# Altium PCB RFID_PCB.PcbDoc (part 4 of 4)
Units mil, origin at the board's own origin, x right, y up, seen from the top; angles counter-clockwise.
Board outline 6299.21 x 3937.01 mil, 2 copper layers (Top Layer, Bottom Layer); 297 components, 238 nets, 1087 pads, 705 vias.
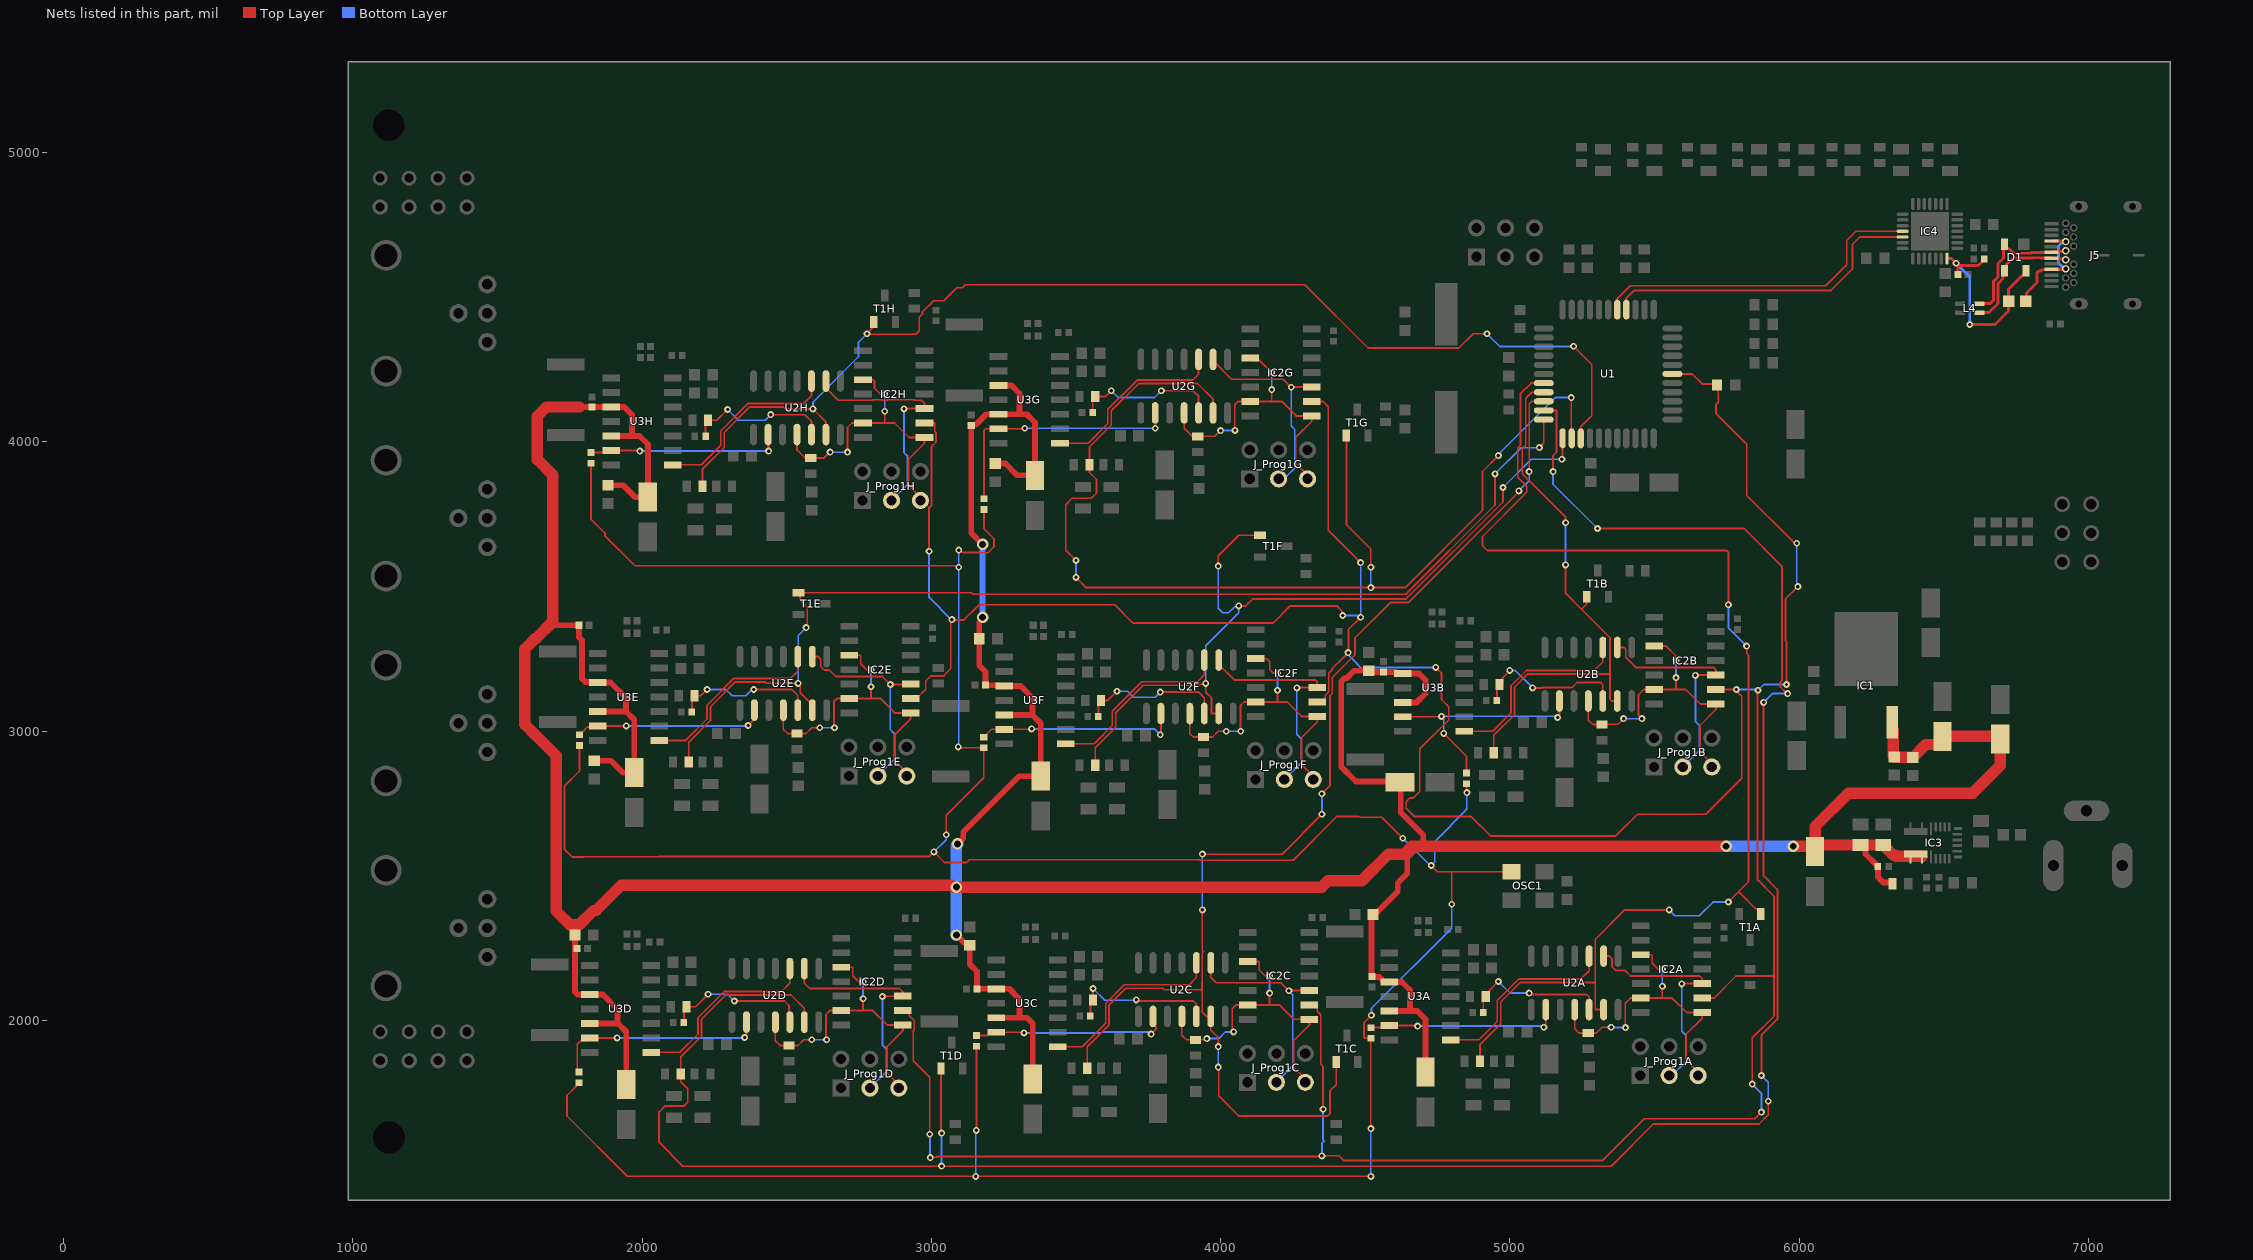
[diagram p4: the nets of this part, all layers, seen from the top]

## Via types
v1: diameter 23.62, hole 11.81, Top Layer to Bottom Layer, tented both sides, 644 vias
v2: diameter 39.37, hole 23.62, Top Layer to Bottom Layer, tented both sides, 61 vias

## Nets (pads, with @x,y where several pads share a name; then routed paths per layer and width w, separated by ;. In a path a pad name is that pad's centre, name@x,y a point inside that pad or via, vN(x,y) a via of type N, cw(c..) or ccw(c..) an arc to the next point about the centre after c; other vN are vias at no path point) (continued)
P5V0: C5.1 C10A.1 C10B.1 C10C.1 C10D.1 C10E.1 C10F.1 C10G.1 C10H.1 C11A.2 C11B.2 C11C.2 C11D.2 C11E.2 C11F.2 C11G.2 C11H.2 C13A.1 C13B.1 C13C.1 C13D.1 C13E.1 C13F.1 C13G.1 C13H.1 C16.1 C17.1 C18.1 C19.1 C26.2 C27.2 IC1.2 IC3.8 IC3.9 R27.2 R28.2 U3A.3 U3A.5 U3B.3 U3B.5 U3C.3 U3C.5 U3D.3 U3D.5 U3E.3 U3E.5 U3F.3 U3F.5 U3G.3 U3G.5 U3H.3 U3H.5 | length 16933.9
  Top Layer w20: 1691.04,3378.17 1702.82,3366.39 1728.06,3366.39 1728.31,3366.14 C10E.1@1781.5,3366.14 1781.5,3324.8 1791.98,3314.32 1791.98,3181.64 1803.7,3169.92 1844.65,3169.92 U3E.3@1846.46,3168.11 1890.95,3168.11 1943.7,3115.35 1943.7,3068.11 ; 1767.72,2330.71 C11D.2@1767.72,2295.27 1767.72,2098.43 1776.77,2089.37 U3D.3@1818.9,2089.37 1863.39,2089.37 1915,2037.76 1915,1989.37 ; 1782.87,4120.87 U3H.3@1893.7,4120.87 1938.19,4120.87 1965,4094.06 1965,4020.87 ; U3D.5@1818.9,1989.37 1915,1989.37 ; C11E.2@1834.65,2897.64 1892.36,2897.64 1933.7,2856.3 C13E.1@1972.44,2856.3 1972.69,2856.55 1972.69,3039.12 1943.7,3068.11 ; U3E.5@1846.46,3068.11 1943.7,3068.11 ; C11H.2@1881.89,3850.39 1934.61,3850.39 1975.94,3809.06 C13H.1@2019.69,3809.06 2019.94,3809.31 2019.94,3991.87 1990.95,4020.87 1965,4020.87 ; U3H.5@1893.7,4020.87 1965,4020.87 ; C13D.1@1944.88,1777.56 1944.88,1960.63 1916.14,1989.37 1915,1989.37 ; v2(3086.61,2295.27) 3113.34,2268.54 3124.19,2268.54 C11C.2@3132.89,2259.84 3132.89,2193.88 3157.48,2169.29 C10C.1@3157.48,2109.06 U3C.3@3224.41,2109.06 3268.9,2109.06 3305,2072.95 3305,2009.06 ; v2(3090.55,2610.24) 3110.24,2629.92 3110.24,2651.46 3303.27,2844.49 C13F.1@3377.95,2844.49 3377.95,3027.56 3349.21,3056.3 ; 3165.35,3376.65 C11F.2@3165.35,3320.08 3165.35,3227.17 3187.01,3205.51 C10F.1@3187.01,3158.98 3230.58,3158.98 3233.27,3156.3 U3F.3@3251.97,3156.3 3308.7,3156.3 3350,3115 3350,3056.3 3349.21,3056.3 ; v2(3177.17,3645.67) 3137.8,3685.04 C10G.1@3137.8,4057.09 3140,4059.29 3153.16,4059.29 3189.54,4095.67 U3G.5@3232.28,4095.67 3305,4095.67 ; C11G.2@3220.47,3925.2 3255.91,3925.2 3295,3886.1 3295,3885 3357.13,3885 C13G.1@3358.27,3883.86 3358.27,4066.93 3329.53,4095.67 3305,4095.67 ; U3C.5@3224.41,2009.06 3305,2009.06 ; U3G.3@3232.28,4195.67 3276.77,4195.67 3305,4167.44 3305,4095.67 ; U3F.5@3251.97,3056.3 3349.21,3056.3 ; C13C.1@3350.39,1797.24 3350.39,1989.61 3330.94,2009.06 3305,2009.06 ; U3A.5@4582.68,2032.68 4655,2032.68 ; C13B.1@4620.08,2823.54 4617.27,2826.36 4467.81,2826.36 4417.16,2877 4417.16,3171.93 4428.41,3183.18 4435.96,3183.18 4461.44,3208.66 C11B.2@4511.81,3208.66 4515.75,3204.72 C10B.1@4562.99,3204.72 4606.1,3204.72 4611.22,3199.61 U3B.3@4629.92,3199.61 4686.22,3199.61 4708.66,3177.17 4708.66,3129.91 4678.35,3099.61 U3B.5@4629.92,3099.61 ; C13B.1@4622.73,2818.6 4622.73,2718.61 4700.79,2640.55 4700.79,2618.11 ; 4685.04,2602.36 4645.67,2562.99 4645.67,2507.87 4612.68,2474.88 4612.68,2445.92 4577.7,2410.94 4521.65,2354.89 4521.65,2161.02 4532.75,2149.93 4548.81,2149.93 4562.17,2136.57 4562.17,2134.49 4563.98,2132.68 4627.17,2132.68 4655,2104.84 4655,2032.68 ; C13A.1@4708.66,1820.87 4708.91,1821.12 4708.91,2003.68 4679.92,2032.68 4655,2032.68 ; C26.2@6212.6,2606.3 6219.49,2606.3 6230.16,2595.63 6230.16,2575.35 6270.63,2534.88 6271.42,2534.88 6272.83,2533.46 R27.2@6272.83,2532.68 6272.83,2494.88 6291.21,2476.51 6319.16,2476.51 R28.2@6323.23,2472.44
  Top Layer w39.37: 1763.78,2330.71 1750,2330.71 1702.47,2378.24 1702.47,2915.48 1632.81,2985.14 1632.23,2985.14 1594.49,3022.89 1594.49,3284.2 1632.23,3321.94 1634.81,3321.94 1691.04,3378.17 1691.04,3885.61 1637.8,3938.85 1637.8,4089.37 1669.29,4120.87 1782.87,4120.87 ; 1767.72,2330.71 1782.29,2330.71 1831.6,2380.02 1840.65,2380.02 1927.26,2466.63 2078.52,2466.63 3039.59,2466.63 3070.65,2466.63 3076.65,2460.63 v2(3086.61,2460.63) 4349.2,2460.63 4371.13,2482.57 4488.35,2482.57 4580.59,2574.8 4633.86,2574.8 4661.42,2602.36 4685.04,2602.36 v2(5748.03,2602.36) ; v2(5980.31,2602.36) 6051.18,2602.36 6055.12,2606.3 C16.1@6055.77,2606.3 ; C16.1@6055.12,2584.13 6055.77,2584.79 C16.1@6055.77,2606.3 ; C26.2@6212.6,2606.3 C16.1@6055.77,2606.3 ; C26.2@6219.49,2606.3 C27.2@6291.34,2606.3 6298.23,2606.3 6299.21,2605.32 6299.21,2598.43 6327.07,2570.57 6331.9,2570.57 6335.54,2566.93 6385.83,2566.93 6423.23,2566.93 IC3.9@6425.2,2564.96 ; IC1.2@6325.59,3005.91 6325.59,2914.96 C19.1@6329.53,2911.02 6331.1,2909.45 C18.1@6393.7,2909.45 6438.06,2953.81 6484.25,2953.81 6496.06,2965.62 C17.1@6496.06,2982.28 C5.1@6696.85,2982.28 ; C5.1@6696.14,2972.28 6696.14,2881.18 6600.39,2785.43 6171.26,2785.43 6055.77,2669.95 C16.1@6055.77,2606.3
  Bottom Layer w20: v2(3177.17,3393.7) v2(3177.17,3645.67)
  Bottom Layer w39.37: v2(5748.03,2602.36) v2(5980.31,2602.36)
  Bottom Layer w40: v2(3086.61,2295.27) 3086.61,2606.29 v2(3090.55,2610.24)
P5V0USB: C28.2 D1.4 IC4.7 L2.2 R31.2 | length 743.7
  Top Layer w10: IC4.7@6511.81,4633.86 6527.56,4633.86 v1(6543.31,4618.11) ; C28.2@6549.21,4578.74 6549.21,4608.52 6543.31,4614.42 v1(6543.31,4618.11) ; v1(6590.55,4406.03) 6677.68,4406.03 6724.72,4453.07 6724.72,4527.87 6774.69,4577.83 6778.62,4577.83 6785.43,4584.65 D1.4@6785.43,4592.52 ; R31.2@6640.55,4632.9 6634.13,4626.49 6634.13,4624.32 6619.52,4609.7 6555.4,4609.7 6546.99,4618.11 v1(6543.31,4618.11)
  Bottom Layer w10: v1(6543.31,4618.11) 6590.55,4570.87 v1(6590.55,4406.03)
R2_DOUTA: R19A.2 R20A.1 U2A.5 | length 508.3
  Top Layer w6: R19A.2@4908.27,2027.56 4908.27,2074.02 R20A.1@4916.93,2082.68 4916.93,2090.88 v1(4960.63,2134.58) ; v1(5066.92,2094.48) 5071.69,2094.48 5076.8,2089.37 5266.14,2089.37 5274.41,2081.1 U2A.5@5274.41,2037.4
  Bottom Layer w6: v1(4960.63,2134.58) 5000.72,2094.48 v1(5066.92,2094.48)
R2_DOUTB: R19B.2 R20B.1 U2B.5 | length 536.3
  Top Layer w6: R19B.2@4955.51,3106.3 4955.51,3152.76 R20B.1@4964.17,3161.42 4975,3172.25 4975,3184.98 v1(5000,3209.98) ; v1(5078.74,3149.61) 5111.91,3149.61 5113.03,3150.73 5214.91,3150.73 5232.28,3168.11 5314.96,3168.11 5321.65,3161.42 U2B.5@5321.65,3104.33
  Bottom Layer w6: v1(5000,3209.98) 5018.37,3209.98 v1(5078.74,3149.61)
R2_DOUTC: R19C.2 R20C.1 U2C.5 | length 522.5
  Top Layer w6: R19C.2@3550,2015.75 3550,2062.2 cw(c3558.66,2062.2) R20C.1@3558.66,2070.87 3558.66,2109.84 v1(3559.06,2110.24) ; v1(3708.65,2070.86) 3712.03,2067.49 3720.36,2067.49 3720.98,2066.87 3905.57,2066.87 3915.89,2056.55 3915.89,2014.03 U2C.5@3916.14,2013.78
  Bottom Layer w6: v1(3559.06,2110.24) 3599.55,2069.74 3707.53,2069.74 v1(3708.65,2070.86)
R2_DOUTD: R19D.2 R20D.1 U2D.5 | length 505.9
  Top Layer w6: R19D.2@2144.49,1992.13 2144.49,2038.58 R20D.1@2153.15,2047.24 2184.65,2047.24 v1(2227.95,2090.55) ; v1(2318.9,2066.93) 2492.13,2066.93 2507.87,2051.18 2507.87,1996.85 U2D.5@2510.63,1994.09
  Bottom Layer w6: v1(2227.95,2090.55) 2295.28,2090.55 v1(2318.9,2066.93)
R2_DOUTE: R19E.2 R20E.1 U2E.5 | length 502.6
  Top Layer w6: R19E.2@2172.05,3066.93 2172.05,3113.39 R20E.1@2180.71,3122.05 2202.36,3122.05 v1(2224.41,3144.09) ; v1(2385.83,3144.09) 2517.32,3144.09 2538.19,3123.23 U2E.5@2538.19,3072.83
  Bottom Layer w6: v1(2224.41,3144.09) 2288.98,3144.09 2311.02,3122.05 2358.27,3122.05 2374.36,3138.13 2375.1,3138.13 2381.06,3144.09 v1(2385.83,3144.09)
R2_DOUTF: R19F.2 R20F.1 U2F.5 | length 507.5
  Top Layer w6: R19F.2@3577.56,3051.18 3577.56,3097.64 R20F.1@3586.22,3106.3 3610.24,3106.3 v1(3641.73,3137.8) ; v1(3791.34,3135.08) 3923.97,3135.08 3943.7,3115.35 U2F.5@3943.7,3061.02
  Bottom Layer w6: v1(3641.73,3137.8) 3678.19,3137.8 3698.62,3117.36 3773.62,3117.36 v1(3791.34,3135.08)
R2_DOUTG: R19G.2 R20G.1 U2G.5 | length 509.1
  Top Layer w6: R19G.2@3557.87,4102.36 3557.87,4148.82 R20G.1@3566.54,4157.48 3602.36,4157.48 v1(3622.05,4177.17) ; v1(3795.28,4177.17) 3904.33,4177.17 3924.02,4157.48 U2G.5@3924.02,4100.39
  Bottom Layer w6: v1(3622.05,4177.17) 3645.67,4153.54 3771.65,4153.54 v1(3795.28,4177.17)
R2_DOUTH: R19H.2 R20H.1 U2H.5 | length 510.7
  Top Layer w6: R19H.2@2219.29,4019.68 2219.29,4066.14 R20H.1@2227.95,4074.8 2257.87,4074.8 v1(2295.28,4112.2) ; v1(2444.88,4094.49) 2562.43,4094.49 2585.43,4071.48 U2H.5@2585.43,4025.59
  Bottom Layer w6: v1(2295.28,4112.2) 2332.68,4074.8 2425.2,4074.8 v1(2444.88,4094.49)
RESETA: IC2A.1 IC2A.10 IC2A.13 J_Prog1A.5 R16A.1 U2A.4 | length 1101.6
  Top Layer w6: U2A.4@5224.41,2037.4 5224.41,1970.59 5238.7,1956.3 R16A.1@5271.65,1956.3 5298.82,1956.3 5318.9,1976.38 v1(5350.39,1976.38) ; v1(5400,1975) 5399.24,1975.76 5399.24,2059.24 5417.17,2077.17 IC2A.13@5452.76,2077.17 5527.56,2077.17 ; IC2A.10@5452.76,2227.17 5487.83,2227.17 5492.27,2222.73 5492.27,2197.98 5513.08,2177.17 v1(5527.56,2177.17) ; v1(5527.56,2118.11) 5527.56,2077.17 ; J_Prog1A.5@5651.18,1809.45 5651.18,1821.26 5610.24,1862.2 5610.24,1952.76 5665.35,2007.87 IC2A.1@5665.35,2027.17 5611.42,2027.17 5561.42,2077.17 5527.56,2077.17
  Bottom Layer w6: v1@5351.77,1975 v1(5400,1975) ; v1(5527.56,2118.11) v1(5527.56,2177.17)
RESETB: IC2B.1 IC2B.10 IC2B.13 J_Prog1B.5 R16B.1 U2B.4 | length 1111.2
  Top Layer w6: U2B.4@5271.65,3104.33 5271.65,3038.35 5286.77,3023.23 R16B.1@5318.9,3023.23 5319.29,3023.62 5374.02,3023.62 v1(5393.7,3043.31) ; v1(5456.69,3043.31) 5445,3055 5445,3126.1 5462.99,3144.09 IC2B.13@5500,3144.09 5574.8,3144.09 ; IC2B.10@5500,3294.09 5540.55,3294.09 5574.8,3259.84 v1(5574.8,3244.09) ; v1(5574.8,3185.04) 5574.8,3144.09 ; J_Prog1B.5@5698.43,2876.38 5698.43,2888.19 5657.48,2929.13 5657.48,3019.69 5712.6,3074.8 IC2B.1@5712.6,3094.09 5658.66,3094.09 5608.66,3144.09 5574.8,3144.09
  Bottom Layer w6: v1(5393.7,3043.31) v1(5456.69,3043.31) ; v1(5574.8,3185.04) v1(5574.8,3244.09)
RESETC: IC2C.1 IC2C.10 IC2C.13 J_Prog1C.5 R16C.1 U2C.4 | length 1105.5
  Top Layer w6: U2C.4@3866.14,2013.78 3866.14,1948.86 3882.32,1932.68 R16C.1@3913.39,1932.68 3948.43,1932.68 v1(3952.76,1937.01) ; v1@4045,1958.94 4040,1963.94 4040,2040 4053.54,2053.54 IC2C.13@4094.49,2053.54 4169.29,2053.54 ; IC2C.10@4094.49,2203.54 4131.46,2203.54 4134,2201 4134,2174.35 4154.81,2153.54 v1(4169.29,2153.54) ; v1(4169.29,2094.49) 4169.29,2053.54 ; J_Prog1C.5@4292.91,1785.83 4292.91,1797.64 4251.97,1838.58 4251.97,1929.13 4307.09,1984.25 IC2C.1@4307.09,2003.54 4253.15,2003.54 4203.15,2053.54 4169.29,2053.54
  Bottom Layer w6: v1(3952.76,1937.01) 3993.72,1937.01 4016.71,1960 4042.68,1960 v1@4043.31,1960.63 ; v1(4169.29,2094.49) v1(4169.29,2153.54)
  other v1: 4045,1960
RESETD: IC2D.1 IC2D.10 IC2D.13 J_Prog1D.5 R16D.1 U2D.4 | length 1122.3
  Top Layer w6: U2D.4@2460.63,1994.09 2460.63,1929.37 2477.01,1912.99 R16D.1@2507.87,1912.99 2538.98,1912.99 2559.06,1933.07 v1(2586.61,1933.07) ; v1(2637.67,1933.07) 2635.46,1935.28 2635.46,2020.46 2648.86,2033.86 IC2D.13@2688.98,2033.86 2763.78,2033.86 ; v1@2640,1938.74 v1@2645.67,1933.07 ; IC2D.10@2688.98,2183.86 2726.14,2183.86 2728.49,2181.51 2728.49,2154.67 2749.3,2133.86 v1(2763.78,2133.86) ; v1(2763.78,2074.8) 2763.78,2033.86 ; J_Prog1D.5@2887.4,1766.14 2887.4,1777.95 2846.46,1818.9 2846.46,1909.45 2901.57,1964.57 IC2D.1@2901.57,1983.86 2847.64,1983.86 2797.64,2033.86 2763.78,2033.86
  Bottom Layer w6: v1(2586.61,1933.07) v1(2637.67,1933.07) v1@2645.67,1933.07 ; v1(2763.78,2074.8) v1(2763.78,2133.86)
RESETE: IC2E.1 IC2E.10 IC2E.13 J_Prog1E.5 R16E.1 U2E.4 | length 1108.2
  Top Layer w6: U2E.4@2488.19,3072.83 2488.19,3006.81 2503.27,2991.73 R16E.1@2535.43,2991.73 2566.73,2991.73 2586.81,3011.81 v1(2614.17,3011.81) ; v1(2665,3011.81) 2663.02,3013.79 2663.02,3103.02 2672.6,3112.6 IC2E.13@2716.54,3112.6 2791.34,3112.6 ; IC2E.10@2716.54,3262.6 2752.4,3262.6 2756.05,3258.95 2756.05,3233.41 2776.86,3212.6 v1(2791.34,3212.6) ; v1(2791.34,3153.54) 2791.34,3112.6 ; J_Prog1E.5@2914.96,2844.88 2914.96,2856.69 2874.02,2897.64 2874.02,2988.19 2929.13,3043.31 IC2E.1@2929.13,3062.6 2875.2,3062.6 2825.2,3112.6 2791.34,3112.6
  Bottom Layer w6: v1(2614.17,3011.81) v1(2665,3011.81) ; v1(2791.34,3153.54) v1(2791.34,3212.6)
RESETF: IC2F.1 IC2F.10 IC2F.13 J_Prog1F.5 R16F.1 U2F.4 | length 1113.6
  Top Layer w6: U2F.4@3893.7,3061.02 3893.7,2991.3 3905.08,2979.92 R16F.1@3940.94,2979.92 3972.05,2979.92 3992.13,3000 v1(4019.68,3000) ; v1(4070,3000) 4068.54,3001.46 4068.54,3088.54 4080.79,3100.79 IC2F.13@4122.05,3100.79 4196.85,3100.79 ; IC2F.10@4122.05,3250.79 4159.21,3250.79 4170,3240 4170,3213.16 4182.37,3200.79 v1(4196.85,3200.79) ; v1(4196.85,3141.73) 4196.85,3100.79 ; J_Prog1F.5@4320.47,2833.07 4320.47,2844.88 4279.53,2885.83 4279.53,2976.38 4334.65,3031.5 IC2F.1@4334.65,3050.79 4280.71,3050.79 4230.71,3100.79 4196.85,3100.79
  Bottom Layer w6: v1(4019.68,3000) v1(4070,3000) v1@4074.8,3000 ; v1(4196.85,3141.73) v1(4196.85,3200.79)
RESETG: IC2G.1 IC2G.10 IC2G.13 J_Prog1G.5 R16G.1 U2G.4 | length 1083.1
  Top Layer w6: U2G.4@3874.02,4100.39 3874.02,4047.24 3901.97,4019.29 R16G.1@3921.26,4019.29 3979.92,4019.29 v1(4000,4039.37) ; v1(4050,4040) 4048.85,4041.15 4048.85,4128.85 4060.16,4140.16 IC2G.13@4102.36,4140.16 4177.17,4140.16 ; IC2G.10@4102.36,4290.16 4111.17,4281.35 4135.98,4281.35 v1(4177.17,4240.16) ; v1(4177.17,4181.1) 4177.17,4140.16 ; J_Prog1G.5@4300.79,3872.44 4300.79,3884.25 4259.84,3925.2 4259.84,4015.75 4314.96,4070.87 IC2G.1@4314.96,4090.16 4261.02,4090.16 4211.02,4140.16 4177.17,4140.16
  Bottom Layer w6: v1(4000,4039.37) 4000.63,4040 v1(4050,4040) ; v1(4177.17,4181.1) v1(4177.17,4240.16)
RESETH: IC2H.1 IC2H.10 IC2H.13 J_Prog1H.5 R16H.1 U2H.4 | length 1094.2
  Top Layer w6: U2H.4@2535.43,4025.59 2535.43,3972.44 2563.39,3944.49 R16H.1@2582.68,3944.49 2583.07,3944.88 2629.88,3944.88 v1(2650,3965) ; v1(2710,3965) 2710,4050 2725.35,4065.35 IC2H.13@2763.78,4065.35 2838.58,4065.35 ; IC2H.10@2763.78,4215.35 2799.65,4215.35 2803.29,4211.71 2803.29,4186.17 2824.1,4165.35 v1(2838.58,4165.35) ; v1(2838.58,4106.3) 2838.58,4065.35 ; J_Prog1H.5@2962.2,3797.64 2962.2,3809.45 2921.26,3850.39 2921.26,3940.95 2976.38,3996.06 IC2H.1@2976.38,4015.35 2922.44,4015.35 2872.44,4065.35 2838.58,4065.35
  Bottom Layer w6: v1@2650,3964.57 v1@2710,3964.57 ; v1(2838.58,4106.3) v1(2838.58,4165.35)
SCK: IC2A.2 IC2B.2 IC2C.2 IC2D.2 IC2E.2 IC2F.2 IC2G.2 IC2H.2 R10.2 U1.17 | length 13826.3
  Top Layer w6: IC2D.2@2901.57,2033.86 2915.11,2033.86 2923.92,2025.05 2923.92,2016.56 2941.09,1999.4 2941.09,1968.08 2937.57,1964.57 2937.57,1859.81 2994.23,1803.15 v1(2994.23,1606.3) ; IC2E.2@2929.13,3112.6 2933.09,3116.56 2952.24,3116.56 2980.32,3144.64 2980.32,3173.68 2997.4,3190.76 3043.31,3190.76 3043.31,3192.11 3052.11,3200.92 3052.11,3201.72 3066.93,3216.54 3066.93,3373.5 3067.49,3374.07 3067.49,3382.45 v1(3070.87,3385.83) 3071.99,3384.7 3113.05,3384.7 3165.35,3437.01 3633.86,3437.01 3696.85,3374.02 4182.23,3374.02 4241.28,3433.06 4401.58,3433.06 4419.71,3414.94 4419.71,3402.48 v1(4422.19,3399.99) ; IC2H.2@2976.38,4065.35 3011.62,4065.35 3011.62,4035.17 3015.89,4030.89 3015.89,3999.82 3000.73,3984.66 3000.73,3781.68 2992.13,3773.07 v1(2992.13,3622.05) ; v1(2996.06,1525.5) 2997.08,1526.53 3016.87,1526.53 3019.87,1529.53 4348.42,1529.53 v1(4350.39,1531.5) 4409.45,1531.5 4425.2,1515.75 5321.57,1515.75 5465.28,1659.45 5846.46,1659.45 v1(5870.08,1683.07) ; IC2C.2@4307.09,2053.54 4325.79,2053.54 4334.6,2044.73 4334.6,2031.08 4346.6,2019.08 4346.6,1849.53 4354.33,1841.79 v1(4354.33,1692.91) ; IC2G.2@4314.96,4140.16 4354.33,4140.16 4372.44,4122.05 4372.44,3694.49 v1(4484.25,3582.68) ; IC2F.2@4334.65,3100.79 4353.35,3100.79 4362.16,3109.6 4362.16,3123.25 4374.16,3135.25 4374.16,3200.21 4385.83,3211.88 4385.83,3216.54 4398.09,3228.8 4398.38,3228.8 4416.79,3247.2 4416.79,3247.49 v1(4440.94,3271.65) 4442.07,3272.78 4442.07,3351.52 v1(4484.25,3393.7) ; v1(4744.09,3220.47) 4763.78,3200.79 4763.78,3109.66 4788.91,3084.54 4788.91,3038.81 4688.98,2938.88 4688.98,2791.34 4666.48,2768.84 4654.25,2768.84 4641.73,2756.33 4641.73,2733.74 4670.13,2705.35 4865.52,2705.35 4933.07,2637.8 5366.6,2637.8 5441.4,2712.6 5677.17,2712.6 5801.57,2837.01 5801.57,3121.22 5786.61,3136.18 5783.46,3136.18 v1(5783.46,3144.09) IC2B.2@5712.6,3144.09 ; U1.17@5562.44,4235 5631.14,4235 5665.35,4200.79 5716.93,4200.79 5720.87,4196.85 5720.87,4137.87 5713.22,4130.22 5713.22,4098.12 5818.9,3992.45 5818.9,3814.96 5988.19,3645.67 v1(5992.13,3649.61) ; IC2A.2@5665.35,2077.17 5706.06,2077.17 5782.24,2153.35 5913.2,2153.35 5913.39,2153.54 ; v1(5838.58,1779.53) 5838.58,1939.37 5913.39,2014.17 5913.39,2153.54 ; v1(5858.26,3141.73) 5856.75,3140.22 5856.75,2485.77 5913.39,2429.13 5913.39,2153.54 ; v1(5956.68,3161.41) 5956.68,3309.66 5952.94,3313.4 5952.94,3456.88 v1(5996.06,3500)
  Bottom Layer w6: v1(2992.13,3622.05) 2992.13,3462.5 3068.8,3385.83 v1(3070.87,3385.83) ; v1(2994.23,1606.3) 2995.15,1605.39 2995.15,1526.42 v1(2996.06,1525.5) ; v1(4350.39,1531.5) 4350.39,1574.8 4358.27,1582.68 4354.33,1586.61 v1(4354.33,1692.91) ; v1(4422.19,3399.99) 4473.19,3399.99 ; v1(4440.94,3271.65) 4440.94,3263.78 4503.94,3200.79 4523.62,3220.47 v1(4744.09,3220.47) ; v1@4484.25,3401.57 v1(4484.25,3582.68) ; v1(5783.46,3144.09) 5855.89,3144.09 v1(5858.26,3141.73) 5877.93,3161.41 v1(5956.68,3161.41) ; v1(5838.58,1779.53) 5870.08,1748.03 v1(5870.08,1683.07) ; v1(5992.13,3649.61) 5992.13,3512.33 5992.69,3511.76 5992.69,3503.37 v1(5996.06,3500)
SCKA: IC2A.3 J_Prog1A.3 U2A.9 | length 830.4
  Top Layer w6: U2A.9@5324.41,2222.44 5344.49,2222.44 5353.6,2213.33 5353.6,2185.77 5366.14,2173.23 5397.64,2173.23 5417.32,2153.54 5656.46,2153.54 5665.35,2144.65 IC2A.3@5665.35,2127.17 5595.67,2127.17 v1(5594.49,2125.98)
  Bottom Layer w6: J_Prog1A.3@5551.18,1809.45 5561.04,1809.45 5608.94,1857.35 5608.94,1948 5594.49,1962.45 v1(5594.49,2125.98)
SCKB: IC2B.3 J_Prog1B.3 U2B.9 | length 825.4
  Top Layer w6: U2B.9@5371.65,3289.37 5395.67,3289.37 5400.84,3284.2 5400.84,3255.16 5435.53,3220.47 5704.72,3220.47 5712.6,3212.6 IC2B.3@5712.6,3194.09 5642.91,3194.09 v1(5641.73,3192.91)
  Bottom Layer w6: J_Prog1B.3@5598.43,2876.38 5655.36,2933.31 5655.36,3020.47 5641.73,3034.1 v1(5641.73,3192.91)
SCKC: IC2C.3 J_Prog1C.3 U2C.9 | length 756.3
  Top Layer w6: U2C.9@3966.14,2198.82 3966.14,2148.86 3985.08,2129.92 4208.66,2129.92 v1(4236.22,2102.36) 4237.4,2103.54 IC2C.3@4307.09,2103.54
  Bottom Layer w6: J_Prog1C.3@4192.91,1785.83 4249.74,1842.66 4249.74,2088.84 v1(4236.22,2102.36)
SCKD: IC2D.3 J_Prog1D.3 U2D.9 | length 834.6
  Top Layer w6: U2D.9@2560.63,2179.13 2560.63,2129.37 2579.76,2110.24 2889.76,2110.24 2901.57,2098.43 IC2D.3@2901.57,2083.86 2831.89,2083.86 v1(2830.71,2082.68)
  Bottom Layer w6: J_Prog1D.3@2787.4,1766.14 2843.6,1822.34 2843.6,1902.23 2830.71,1915.12 v1(2830.71,2082.68)
SCKE: IC2E.3 J_Prog1E.3 U2E.9 | length 742.1
  Top Layer w6: U2E.9@2588.19,3257.87 2608.27,3257.87 2617.38,3248.76 2617.38,3223.66 2629.57,3211.47 2646.81,3211.47 2669.31,3188.98 2830.71,3188.98 v1(2858.27,3161.42) 2927.95,3161.42 IC2E.3@2929.13,3162.6
  Bottom Layer w6: J_Prog1E.3@2814.96,2844.88 2872.21,2902.13 2872.21,2991.62 2858.27,3005.56 v1(2858.27,3161.42)
SCKF: IC2F.3 J_Prog1F.3 U2F.9 | length 819.2
  Top Layer w6: U2F.9@3993.7,3246.06 3993.7,3230.71 4047.24,3177.17 4327.83,3177.17 4334.65,3170.35 IC2F.3@4334.65,3150.79 4264.96,3150.79 v1(4263.78,3149.61)
  Bottom Layer w6: J_Prog1F.3@4220.47,2833.07 4278.85,2891.45 4278.85,2974.01 4263.78,2989.08 v1(4263.78,3149.61)
SCKG: IC2G.3 J_Prog1G.3 U2G.9 | length 740.7
  Top Layer w6: U2G.9@3974.02,4285.43 3974.02,4280.41 4037.89,4216.54 4216.54,4216.54 4242.91,4190.16 v1@4245.28,4190.16 ; v1(4244.09,4188.98) v1@4245.28,4190.16 ; IC2G.3@4314.96,4190.16 v1@4245.28,4190.16
  Bottom Layer w6: J_Prog1G.3@4200.79,3872.44 4210.94,3882.59 4229.48,3882.59 4256.62,3909.73 4256.62,4043.09 4244.09,4055.62 v1(4244.09,4188.98)
SCKH: IC2H.3 J_Prog1H.3 U2H.9 | length 822.6
  Top Layer w6: U2H.9@2635.43,4210.63 2635.43,4187.4 2678.29,4144.54 2798.02,4144.54 2799.15,4145.67 2828.84,4145.67 2829.96,4144.54 2847.2,4144.54 2848.33,4145.67 2941.01,4145.67 2942.14,4144.54 2965.46,4144.54 2976.38,4133.62 IC2H.3@2976.38,4115.35 2906.69,4115.35 v1(2905.51,4114.17)
  Bottom Layer w6: J_Prog1H.3@2862.2,3797.64 2917.8,3853.24 2917.8,3950.84 2905.51,3963.13 v1(2905.51,4114.17)
SCLKA: U2A.10 U3A.8 | length 671.1
  Top Layer w6: U3A.8@4795.28,1932.68 4893.31,1932.68 4956.88,1996.25 4956.88,2068.61 5031.32,2143.05 5245.41,2143.05 5274.41,2172.05 U2A.10@5274.41,2222.44
SCLKB: U2B.10 U3B.8 | length 683.3
  Top Layer w6: U3B.8@4842.52,2999.61 4940.55,2999.61 5004.13,3063.18 5004.13,3156.45 5057.66,3209.98 5292.65,3209.98 5321.65,3238.98 U2B.10@5321.65,3289.37
SCLKC: U2C.10 U3C.8 | length 668.8
  Top Layer w6: U3C.8@3437.01,1909.06 3521.71,1909.06 3602.55,1989.9 3602.55,2058.4 3667.51,2123.36 3891.08,2123.36 3916.14,2148.43 U2C.10@3916.14,2198.82
SCLKD: U2D.10 U3D.8 | length 661.7
  Top Layer w6: U3D.8@2031.5,1889.37 2129.53,1889.37 2193.1,1952.95 2193.1,2009.29 2283.56,2099.74 2481.63,2099.74 2510.63,2128.74 U2D.10@2510.63,2179.13
SCLKE: U2E.10 U3E.8 | length 656.5
  Top Layer w6: U3E.8@2059.05,2968.11 2150.31,2968.11 2224.41,3042.2 2224.41,3089.71 2317.12,3182.42 2513.13,3182.42 2538.19,3207.48 U2E.10@2538.19,3257.87
SCLKF: U2F.10 U3F.8 | length 658.2
  Top Layer w6: U3F.8@3464.57,2956.3 3562.6,2956.3 3625.8,3019.5 3625.8,3068.85 3727.93,3170.98 3920.01,3170.98 3943.7,3194.68 U2F.10@3943.7,3246.06
SCLKG: U2G.10 U3G.8 | length 657.4
  Top Layer w6: U3G.8@3444.88,3995.67 3542.18,3995.67 3610.24,4063.72 3610.24,4112.68 3711.47,4213.91 3902.89,4213.91 3924.02,4235.04 U2G.10@3924.02,4285.43
SCLKH: U2H.10 U3H.8 | length 657.6
  Top Layer w6: U3H.8@2106.3,3920.87 2204.33,3920.87 2271.84,3988.38 2271.84,4037.73 2367.32,4133.2 2558.4,4133.2 2585.43,4160.24 U2H.10@2585.43,4210.63
SS_BUS1: R15A.1 T1A.1 U1.40 U2A.6 | length 4331.1
  Top Layer w6: R15A.1@4897.24,1858.27 4897.24,1916.93 4968.88,1988.57 4968.88,2063.64 5036.29,2131.05 5290.21,2131.05 5291.91,2129.35 ; U1.40@5117.56,4203.5 5073.58,4203.5 5036.78,4166.7 5036.78,3986.82 5027.56,3977.6 5027.56,3877.95 5059.06,3846.46 5059.06,3826.77 4905.51,3673.23 4905.51,3641.73 4922.76,3624.48 5749.54,3624.48 5755.91,3618.11 v1(5755.91,3437.01) ; U2A.6@5324.41,2037.4 5295.22,2037.4 5295.22,2071.61 5295.09,2071.75 5295.09,2188.1 5295.22,2188.23 5295.22,2279.47 5397.64,2381.89 v1(5551.18,2381.89) ; v1(5755.91,2409.45) 5788.96,2442.5 ; v1(5818.9,3294.09) 5818.9,3268.94 5825.44,3262.39 5825.44,3128.14 5825.57,3128.01 5825.57,2479.12 5788.96,2442.5 ; T1A.1@5868.11,2368.11 5868.11,2375.41 5858.31,2385.21 5851.01,2385.21 5793.72,2442.5 5788.96,2442.5
  Bottom Layer w6: v1(5551.18,2381.89) 5570.87,2362.2 5655.61,2362.2 5702.85,2409.45 v1(5755.91,2409.45) ; v1(5755.91,3437.01) 5755.91,3357.09 v1(5818.9,3294.09)
SS_BUS2: R15B.1 T1B.1 U1.41 U2B.6 | length 1924.1
  Top Layer w6: R15B.1@4944.49,2925.2 4944.49,2985.73 5016.13,3057.37 5016.13,3151.48 5062.63,3197.98 5341.39,3197.98 5343.09,3196.28 ; U1.41@5117.56,4172.01 5076.02,4172.01 5054.93,4150.91 5054.93,3988 5043.31,3976.38 5043.31,3889.76 5192.91,3740.16 v1(5192.91,3720.47) ; v1(5192.91,3574.8) 5192.91,3476.38 5248.03,3421.26 ; T1B.1@5266.5,3464.72 5265.34,3463.56 5265.34,3438.57 5248.03,3421.26 ; U2B.6@5371.65,3104.33 5352.36,3104.33 5346.46,3110.24 5346.46,3322.83 5248.03,3421.26
  Bottom Layer w6: v1(5192.91,3574.8) v1(5192.91,3720.47)
SS_BUS3: R15C.1 T1C.1 U1.42 U2C.6 | length 4352.9
  Top Layer w6: R15C.1@3538.98,1834.65 3538.98,1909.35 3614.55,1984.93 3614.55,2053.43 3672.48,2111.36 3799.96,2111.36 3805.59,2105.73 3933.07,2105.73 ; v1(3936.95,2574.8) 4212.6,2574.8 v1(4350.39,2712.6) ; v1(3937.01,2381.89) 3937.01,2240.96 3940.94,2237.02 3936.95,2233.03 3936.95,2131.74 3935.87,2130.66 3935.87,2101.61 3936.95,2100.53 3936.95,2027.61 3950.79,2013.78 U2C.6@3966.14,2013.78 3966.14,1966.93 3992.13,1940.94 v1(3992.13,1909.45) ; v1(3992.13,1838.58) 3993.7,1837.01 3993.7,1738.98 4063.39,1669.29 4370.08,1669.29 4377.95,1677.17 4377.95,1755.91 4399.61,1777.56 T1C.1@4399.61,1856.69 ; v1(4350.39,2783.46) 4377.95,2811.02 4377.95,3122.07 4386.16,3130.28 4386.16,3185.43 4464.57,3263.83 4464.57,3322.83 4586.24,3444.5 4649.23,3444.5 5031.5,3826.77 v1(5031.5,3830.71) ; v1(5066.93,3897.64) 5066.93,4131.13 5076.31,4140.51 U1.42@5117.56,4140.51
  Bottom Layer w6: v1(3936.95,2574.8) 3940.94,2570.81 3937.01,2566.87 v1(3937.01,2381.89) ; v1(3992.13,1838.58) v1(3992.13,1909.45) ; v1(4350.39,2712.6) v1(4350.39,2783.46) ; v1(5031.5,3830.71) 5066.93,3866.14 v1(5066.93,3897.64)
SS_BUS4: R15D.1 T1D.1 U1.43 U2D.6 | length 8522.6
  Top Layer w6: U2D.6@2560.63,1994.09 2560.63,2041.73 2514.62,2087.74 2288.53,2087.74 2205.1,2004.32 2205.1,1945.26 2133.46,1873.62 R15D.1@2133.46,1814.96 2133.46,1787.8 2157.48,1763.78 2157.48,1716.54 2145.31,1704.36 2079.77,1704.36 2058.48,1683.07 2058.48,1578.33 2140.75,1496.06 v1(3035.43,1496.06) 5350.39,1496.06 5496.06,1641.73 5861.64,1641.73 5893.7,1673.79 v1(5893.7,1720.47) ; T1D.1@3033.46,1833.07 3033.46,1612.2 v1(3035.43,1610.24) ; U1.43@5117.56,4109.02 5161.42,4109.02 5161.42,3964.57 5149.61,3952.76 v1(5149.61,3897.64) ; v1(5303.15,3700.79) 5810.25,3700.79 5940.94,3570.09 5940.94,3175.11 5935.87,3170.03 5935.87,3152.79 5948.06,3140.6 5948.3,3140.6 5958.98,3129.92 v1(5960.63,3129.92) ; v1(5870.08,1809.45) 5870.08,1948.82 5925.39,2004.13 5925.39,2452.57 5877.56,2500.39 v1(5877.56,3099.61)
  Bottom Layer w6: v1(3035.43,1496.06) v1(3035.43,1610.24) ; v1(5149.61,3897.64) 5149.61,3854.33 v1(5303.15,3700.79) ; v1(5870.08,1809.45) 5893.7,1785.83 v1(5893.7,1720.47) ; v1(5877.56,3099.61) 5907.87,3129.92 v1(5960.63,3129.92)
SS_BUS5: R15E.1 T1E.1 U1.44 U2E.6 | length 3948.1
  Top Layer w6: R15E.1@2161.02,2893.7 2161.02,2961.85 2236.41,3037.23 2236.41,3084.74 2322.09,3170.42 2425.81,3170.42 2430.88,3165.35 2535.43,3165.35 2547.06,3153.73 2547.06,3132.82 2588.19,3091.69 U2E.6@2588.19,3072.83 ; T1E.1@2540.16,3478.35 T1E.1@2545.5,3473.01 ; v1@2570.3,3358.83 2570.3,3370.03 2570.87,3370.59 2570.87,3429.13 2545.5,3454.5 T1E.1@2545.5,3473.01 ; v1(4948.82,3889.76) 4948.82,3781.97 4639.85,3473.01 3144.17,3473.01 3138.83,3478.35 2550.83,3478.35 T1E.1@2545.5,3473.01 ; v1(5102.36,3980.32) 5117.56,3995.51 U1.44@5117.56,4077.52
  Bottom Layer w6: v1(2539.37,3165.35) 2539.37,3330.71 v1(2566.93,3358.27) ; v1(4948.82,3889.76) 5039.37,3980.32 v1(5102.36,3980.32)
SS_BUS6: R15F.1 T1F.1 U1.1 U2F.6 | length 2888
  Top Layer w6: R15F.1@3566.54,2881.89 3566.54,2942.42 3637.8,3013.68 3637.8,3063.88 3732.9,3158.98 3924.98,3158.98 3928.01,3162.02 3945.48,3162.02 v1(3948.82,3165.35) 3948.82,3135.08 3968.5,3115.4 3968.5,3062.99 3970.47,3061.02 U2F.6@3993.7,3061.02 ; v1(3992.13,3570.87) 3992.13,3605.92 4063.37,3677.17 T1F.1@4136.6,3677.17 ; v1(4062.99,3433.07) 4086.61,3433.07 4110.61,3457.06 4640.88,3457.06 4976.38,3792.56 v1(4976.38,3842.52) ; v1(5180,3940) 5182.52,3942.52 U1.1@5182.52,4012.56
  Bottom Layer w6: v1(3948.82,3165.35) 3948.82,3295.28 4062.99,3409.45 v1(4062.99,3433.07) 4060.18,3430.26 4048.37,3430.26 4027.56,3409.45 4007.87,3409.45 3992.13,3425.2 v1(3992.13,3570.87) ; v1(4976.38,3842.52) 5073.86,3940 5117.16,3940 5117.35,3939.81 5134.59,3939.81 5134.78,3940 v1(5180,3940)
SS_BUS7: R15G.1 T1G.1 U1.2 U2G.6 | length 3958
  Top Layer w6: v1(3500,3531.5) 3535.06,3496.44 v1(4519.69,3496.44) 4638.17,3496.44 4905.51,3763.78 4905.51,3897.64 v1(4960.63,3952.76) ; v1(3500,3590.55) 3464.57,3625.98 3464.57,3783.53 3486.1,3805.07 3553.1,3805.07 3570.87,3822.83 3570.87,3870.08 3555.34,3885.6 3546.85,3894.09 R15G.1@3546.85,3921.26 3546.85,3983.37 3622.24,4058.75 3622.24,4107.71 3716.44,4201.91 3920.13,4201.91 3974.02,4148.03 U2G.6@3974.02,4100.39 ; T1G.1@4435.04,4021.65 4435.04,3714.57 4519.69,3629.92 v1(4519.69,3566.93) ; v1(5212.6,4153.54) 5212.6,4013.98 U1.2@5214.02,4012.56
  Bottom Layer w6: v1(3500,3531.5) v1(3500,3590.55) ; v1(4519.69,3496.44) v1(4519.69,3566.93) ; v1(4960.63,3952.76) 4960.63,3956.69 5157.48,4153.54 v1(5212.6,4153.54)
SS_BUS8: R15H.1 T1H.1 U1.3 U2H.6 | length 4094.5
  Top Layer w6: R15H.1@2208.27,3846.46 2208.27,3905.12 2283.84,3980.69 2283.84,4032.76 2372.29,4121.2 2487.82,4121.2 2494.85,4114.17 v1(2590.55,4114.17) 2635.43,4069.29 U2H.6@2635.43,4025.59 ; T1H.1@2801.18,4415.35 2794.48,4408.66 2794.48,4391.13 v1(2777.37,4374.02) 2778.71,4372.68 2945.42,4372.68 2957.82,4385.08 2957.82,4431.51 2969.43,4443.12 2969.43,4449.75 3007.87,4488.19 3043.31,4488.19 3088.24,4533.13 3107.09,4533.13 3117.65,4543.69 4290.96,4543.69 4509.84,4324.8 4509.78,4324.74 4823.73,4324.74 4873,4374.02 v1(4921.26,4374.02) ; v1(5220.47,4330.71) 5283.46,4267.72 5283.46,4090.55 5245.51,4052.6 U1.3@5245.51,4012.56
  Bottom Layer w6: v1(2590.55,4114.17) 2590.55,4137.8 2748.03,4295.28 2748.03,4344.68 v1(2777.37,4374.02) ; v1(4921.26,4374.02) 4965.28,4330 v1@5220.47,4330
UART_RX: IC4.26 U1.26 | length 1132.4
  Top Layer w6: U1.26@5402.99,4457.44 5402.99,4496.99 5430,4524 6110.61,4524 6185.04,4598.43 6185.04,4683.62 6210.08,4708.66 IC4.26@6358.27,4708.66
UART_TX: IC4.25 U1.27 | length 1170.4
  Top Layer w6: U1.27@5371.5,4457.44 5371.5,4495 5416.5,4540 6093.03,4540 6165.35,4612.32 6165.35,4696.66 6196.85,4728.16 6358.08,4728.16 IC4.25@6358.27,4728.35
USBDN: D1.2 J5.A7 J5.B6 L4.1 | length 486.9
  Top Layer w10: L4.1@6624.02,4478.6 6661.42,4478.6 6671.82,4489.01 6671.82,4553.96 6687.82,4569.96 6687.82,4616.76 6707.44,4636.38 6707.44,4672.01 D1.2@6710.63,4675.2 ; D1.2@6710.63,4683.07 D1.2@6710.63,4675.2 ; J5.B6@6922.05,4661.42 6919.06,4658.43 6908.54,4658.43 6908.39,4658.29 6897.31,4658.29 6895.44,4656.42 6873.74,4656.42 J5.A7@6872.83,4655.51 6804.93,4655.51 6801.8,4652.39 6741.31,4652.39 6725.31,4668.39 6717.44,4668.39 D1.2@6710.63,4675.2
USBDP: D1.3 J5.A6 J5.B7 L4.4 | length 441.3
  Top Layer w10: L4.4@6624.02,4447.11 6655.77,4447.11 6687.82,4479.16 6687.82,4547.33 6705.46,4564.98 6705.46,4587.35 6717.44,4599.33 6717.44,4614.17 6739.09,4635.83 6807.87,4635.83 6809.03,4636.98 6836.22,4636.98 6836.47,4636.73 6871.93,4636.73 J5.A6@6872.83,4635.83 6873.74,4634.92 6895.44,4634.92 6897.31,4633.05 6908.39,4633.05 6908.54,4632.9 6919.06,4632.9 J5.B7@6922.05,4629.92
VBUS: J5.A4 J5.A9 J5.B4 J5.B9 L2.1 | length 393.2
  Top Layer w10: L2.1@6777.56,4488.19 6786.96,4497.59 6786.96,4515.31 6822.83,4551.18 6822.83,4585.5 6828.69,4591.36 6836.22,4591.36 6840.41,4595.55 6871.93,4595.55 J5.A4@6872.83,4596.46 6920.08,4596.46 J5.B9@6922.05,4598.43 ; J5.A9@6872.83,4694.88 6920.08,4694.88 J5.B4@6922.05,4692.91
  Bottom Layer w10: J5.B9@6922.05,4598.43 6917.83,4598.43 6910.54,4605.72 6910.03,4605.72 6897.64,4618.11 6897.64,4677.17 6910.4,4689.93 6919.06,4689.93 J5.B4@6922.05,4692.91
XTAL1: OSC1.3 R25A.1 R25B.1 R25C.1 R25D.1 R25E.1 R25F.1 R25G.1 R25H.1 | length 11851.9
  Top Layer w6: R25D.1@1781.5,1784.65 1780.71,1784.65 1772.29,1776.23 1772.29,1772.29 1740.16,1740.16 1740.16,1669.29 1948.82,1460.63 v1(3153.54,1460.63) v1(4519.69,1460.63) ; R25E.1@1783.46,2950.39 1783.46,2862.2 1731.16,2809.9 1731.16,2591.68 1757.87,2564.96 1798.55,2564.96 1799.02,2565.43 2056.98,2565.43 2058.48,2566.93 2993.16,2566.93 v1(3008.91,2582.68) 3045.47,2546.12 3122.12,2546.12 3131.12,2555.12 3927.21,2555.12 3928.33,2553.99 4250.85,2553.99 4401.87,2705.01 4477.12,2705.01 4480.13,2702 4557.84,2702 v1(4629.92,2629.92) ; R25H.1@1822.83,3926.38 1822.83,3733.48 1871.2,3685.11 1871.2,3675.65 1975.3,3571.55 3089.87,3571.55 v1(3094.49,3566.93) ; v1(3051.18,2641.73) 3051.18,2708.66 3181.1,2838.58 R25F.1@3181.1,2942.45 3092.98,2942.45 3093.08,2942.56 v1(3093.08,2945.57) ; v1(3094.49,3625.98) 3098.94,3625.98 3106.81,3618.11 3164.16,3618.11 3165.28,3616.98 3195.72,3616.98 3216.54,3637.8 3216.54,3665.31 3181.89,3699.96 R25G.1@3181.89,3766.5 ; v1(3155,1619.57) 3156.38,1620.95 R25C.1@3156.38,1910.63 ; v1(4519.69,1625.98) R25A.1@4519.69,1938.19 4498.82,1938.19 4496.06,1940.94 4496.06,1992.13 v1(4521.65,2017.72) ; v1(4728.35,2535.43) 4749.67,2514.11 4799.21,2514.11 ; v1(4799.21,2401.57) 4799.21,2514.11 ; v1(4851.59,2787.4) 4850.39,2788.59 R25B.1@4850.39,2818.5 4854.33,2814.57 R25B.1@4856.3,2816.54 ; OSC1.3@5005.83,2514.11 4799.21,2514.11
  Bottom Layer w6: v1(3008.91,2582.68) 3051.18,2624.95 v1(3051.18,2641.73) ; v1(3093.08,2945.57) 3094.49,2946.97 v1(3094.49,3566.93) v1(3094.49,3625.98) ; v1@3149.61,1456.69 v1(3153.54,1460.63) v1@3153.54,1618.11 ; v1(4519.69,1460.63) v1(4519.69,1625.98) ; v1(4521.65,2017.72) 4521.65,2041.39 4799.21,2318.95 v1(4799.21,2401.57) ; v1(4629.92,2629.92) 4724.41,2535.43 v1(4728.35,2535.43) 4728.35,2535.95 4740.16,2547.76 4740.16,2618.11 4851.59,2729.54 v1(4851.59,2787.4)
XTAL_INA: R25A.2 U2A.2 U3A.6 | length 667.8
  Top Layer w6: R25A.2@4519.69,1975.2 4575.2,1975.2 U3A.6@4582.68,1982.68 4678.74,1982.68 v1(4681.1,1980.32) ; v1(5118.11,1976.38) 5118.11,1981.15 5124.41,1987.45 U2A.2@5124.41,2037.4
  Bottom Layer w6: v1(4681.1,1980.32) 5114.17,1980.32 v1(5118.11,1976.38)
XTAL_INB: R25B.2 U2B.2 U3B.6 | length 830.6
  Top Layer w6: U3B.6@4628.74,3048.43 U3B.6@4629.92,3049.61 4762.2,3049.61 v1(4763.78,3051.18) ; v1(4771.65,2992.13) 4850.39,2913.39 R25B.2@4850.39,2855.51 ; v1(5165.35,3047.24) 5165.35,3051.63 5171.65,3057.93 U2B.2@5171.65,3104.33
  Bottom Layer w6: v1(4771.65,2992.13) 4771.65,3038.86 4763.78,3046.73 v1(4763.78,3051.18) 5161.42,3051.18 v1(5165.35,3047.24)
XTAL_INC: R25C.2 U2C.2 U3C.6 | length 687.1
  Top Layer w6: R25C.2@3156.38,1947.64 3194.29,1947.64 3205.71,1959.06 U3C.6@3224.41,1959.06 3317.8,1959.06 v1(3320.16,1956.69) ; v1(3759.84,1952.76) 3777.98,1970.89 3777.98,1975.86 3766.14,1987.7 U2C.2@3766.14,2013.78
  Bottom Layer w6: v1(3320.16,1956.69) 3586.32,1956.69 3589.81,1960.18 3747.65,1960.18 3755.07,1952.76 v1(3759.84,1952.76)
XTAL_IND: R25D.2 U2D.2 U3D.6 | length 742.4
  Top Layer w6: R25D.2@1781.5,1821.65 1775.59,1827.56 1775.59,1917.32 1788.83,1930.56 1810.09,1930.56 U3D.6@1818.9,1939.37 v1(1913.39,1939.37) ; v1(2354.33,1940.94) 2354.33,1941.39 2360.63,1947.69 U2D.2@2360.63,1994.09
  Bottom Layer w6: v1(1913.39,1939.37) 2352.76,1939.37 v1(2354.33,1940.94)
XTAL_INE: R25E.2 U2E.2 U3E.6 | length 658.8
  Top Layer w6: R25E.2@1783.46,2987.4 1784.25,2987.4 1792.67,2995.82 1792.67,2996.61 1810.46,3014.4 1842.74,3014.4 U3E.6@1846.46,3018.11 v1(1944.88,3018.11) ; v1(2366.14,3019.68) 2382.23,3035.77 2382.23,3036.52 2388.19,3042.48 U2E.2@2388.19,3072.83
  Bottom Layer w6: v1(1944.88,3018.11) 2364.57,3018.11 v1(2366.14,3019.68)
XTAL_INF: R25F.2 U2F.2 U3F.6 | length 705.3
  Top Layer w6: R25F.2@3181.1,2979.46 3181.89,2979.46 3190.31,2987.88 3190.31,2988.67 3207.94,3006.3 U3F.6@3251.97,3006.3 3344.88,3006.3 v1(3346.46,3007.87) ; v1(3791.34,2987.56) 3793.7,2989.92 U2F.2@3793.7,3061.02
  Bottom Layer w6: v1(3346.46,3007.87) 3771.02,3007.87 v1(3791.34,2987.56)
XTAL_ING: R25G.2 U2G.2 U3G.6 | length 884.9
  Top Layer w6: R25G.2@3181.89,3803.5 3181.89,4040.2 3187.36,4045.67 U3G.6@3232.28,4045.67 3321.26,4045.67 v1(3322.83,4047.24) ; v1(3774.02,4047.24) U2G.2@3774.02,4100.39
  Bottom Layer w6: v1(3322.83,4047.24) v1(3774.02,4047.24)
XTAL_INH: R25H.2 U2H.2 U3H.6 | length 676
  Top Layer w6: R25H.2@1822.83,3963.39 1886.22,3963.39 U3H.6@1893.7,3970.87 1989.76,3970.87 v1(1992.13,3968.5) ; U2H.2@2435.43,4025.59 2437.01,4024.02 v1(2437.01,3968.5)
  Bottom Layer w6: v1(1992.13,3968.5) v1(2437.01,3968.5)
pads on no net: IC2A.11 IC2B.11 IC2C.11 IC2D.11 IC2E.11 IC2F.11 IC2G.11 IC2H.11 IC3.3 IC4.10 IC4.11 IC4.12 IC4.13 IC4.14 IC4.15 IC4.16 IC4.17 IC4.18 IC4.19 IC4.20 IC4.21 IC4.22 IC4.28 J1.6 J1.7 J2.6 J2.7 J3.6 J3.7 J4.6 J4.7 J5.A2 J5.A3 J5.A8 J5.A10 J5.A11 J5.B2 J5.B3 J5.B5 J5.B10 J5.B11 J6.2 J_PD.3 J_PD.4 U1.4 U1.5 U1.6 U1.7 U1.14 U1.24 U1.25 U2A.3 U2A.11 U2B.3 U2B.11 U2C.3 U2C.11 U2D.3 U2D.11 U2E.3 U2E.11 U2F.3 U2F.11 U2G.3 U2G.11 U2H.3 U2H.11 U3A.7 U3A.11 U3B.7 U3B.11 U3C.7 U3C.11 U3D.7 U3D.11 U3E.7 U3E.11 U3F.7 U3F.11 U3G.7 U3G.11 U3H.7 U3H.11

## Polygon pours and split planes (outlines as drawn)
GND on Bottom Layer "GND_bot" (solid, remove dead copper, pour order 34): 1003.94,5295.28 7263.78,5295.28 7263.78,1397.64 1003.94,1397.64
GND on Top Layer "GND_top" (solid, remove dead copper, pour order 32): 7263.78,5295.28 7263.78,1397.64 1003.94,1397.64 1003.94,5295.28

## Other copper
Top Layer:
  rectangle net NetIC3_4: 6335.54,2661.42 6476.38,2692.91

## Silkscreen, mask and mechanical layers (free items; w line width, h text height)
Top Overlay:
  text "8 channel RFID controller" at 5842.9,1878.35 h28
  text "v2.0.1 WUT 2019" at 6114.17,1751.97 h28
Bottom Solder:
  lines w10: 988.19,1377.95 988.19,5314.96 4720.47,5314.96 ; 992.13,1377.95 4929.13,1377.95 ; 3346.46,5314.96 7283.46,5314.96 7283.46,1377.95 3350.39,1377.95

## Text inside footprints (layer, text, board x,y; h text height)
J5: Mechanical 2 "PCB Edge" at 7326.77,4578.74 h28 r90
J_PD: Top Overlay "6" at 5145,4720 h28; Top Overlay "5" at 5145,4620 h28; Top Overlay "2" at 4785,4720 h28; Top Overlay "1" at 4805,4620 h28
J_Prog1A: Top Overlay "6" at 5711.18,1889.45 h28; Top Overlay "5" at 5711.18,1789.45 h28; Top Overlay "2" at 5364.57,1889.76 h28; Top Overlay "1" at 5371.18,1789.45 h28
J_Prog1B: Top Overlay "6" at 5758.43,2956.38 h28; Top Overlay "5" at 5758.43,2856.38 h28; Top Overlay "2" at 5411.81,2956.69 h28; Top Overlay "1" at 5418.43,2856.38 h28
J_Prog1C: Top Overlay "6" at 4352.91,1865.83 h28; Top Overlay "5" at 4352.91,1765.83 h28; Top Overlay "2" at 4006.3,1866.14 h28; Top Overlay "1" at 4012.91,1765.83 h28
J_Prog1D: Top Overlay "6" at 2947.4,1846.14 h28; Top Overlay "5" at 2947.4,1746.14 h28; Top Overlay "2" at 2600.79,1846.46 h28; Top Overlay "1" at 2607.4,1746.14 h28
J_Prog1E: Top Overlay "6" at 2975,2925 h28; Top Overlay "5" at 2975,2825 h28; Top Overlay "2" at 2628.39,2925.31 h28; Top Overlay "1" at 2635,2825 h28
J_Prog1F: Top Overlay "6" at 4380.47,2913.07 h28; Top Overlay "5" at 4380.47,2813.07 h28; Top Overlay "2" at 4033.86,2913.39 h28; Top Overlay "1" at 4040.47,2813.07 h28
J_Prog1G: Top Overlay "6" at 4360.79,3952.44 h28; Top Overlay "5" at 4360.79,3852.44 h28; Top Overlay "2" at 4014.17,3952.76 h28; Top Overlay "1" at 4020.79,3852.44 h28
J_Prog1H: Top Overlay "6" at 3022.2,3877.64 h28; Top Overlay "5" at 3022.2,3777.64 h28; Top Overlay "2" at 2675.59,3877.95 h28; Top Overlay "1" at 2682.2,3777.64 h28
LD1: Top Overlay "C" at 1444.49,1845.63 h28; Top Overlay "A" at 1444.49,1945.63 h28; Top Overlay "A" at 1063.74,1897.6 h28 r90; Top Overlay "B" at 1163.74,1897.6 h28 r90; Top Overlay "C" at 1263.74,1897.6 h28 r90; Top Overlay "D" at 1363.74,1897.6 h28 r90; Mechanical 14 "A" at 1444.49,1945.63 h28; Mechanical 14 "C" at 1444.49,1845.63 h28; Mechanical 14 "A" at 1063.74,1897.6 h28 r90; Mechanical 14 "B" at 1163.74,1897.6 h28 r90; Mechanical 14 "C" at 1263.74,1897.6 h28 r90; Mechanical 14 "D" at 1363.74,1897.6 h28 r90
LD2: Top Overlay "C" at 1444.09,4797.2 h28; Top Overlay "A" at 1444.09,4897.2 h28; Top Overlay "A" at 1063.35,4849.17 h28 r90; Top Overlay "B" at 1163.35,4849.17 h28 r90; Top Overlay "C" at 1263.35,4849.17 h28 r90; Top Overlay "D" at 1363.35,4849.17 h28 r90; Mechanical 14 "A" at 1444.09,4897.2 h28; Mechanical 14 "C" at 1444.09,4797.2 h28; Mechanical 14 "A" at 1063.35,4849.17 h28 r90; Mechanical 14 "B" at 1163.35,4849.17 h28 r90; Mechanical 14 "C" at 1263.35,4849.17 h28 r90; Mechanical 14 "D" at 1363.35,4849.17 h28 r90